# Altium PCB Sayma_AMC_RFSoC.PcbDoc (part 5 of 11)
Units mm, origin at the board's own origin, x right, y up, seen from the top; angles counter-clockwise.
Board outline 180.55 x 148.45 mm, 18 copper layers (Layer 1, Layer 2, Layer 3, Layer 4, Layer 5, Layer 6, Layer 7, Layer 8, Layer 9, Layer 10, Layer 11, Layer 12, Layer 13, Layer 14, Layer 15, Layer 16, Layer 17, Layer 18), stack 4.915 mm thick; 790 components, 796 nets, 6854 pads, 16 vias.
Unrouted connection lines stored in the file: 2880.
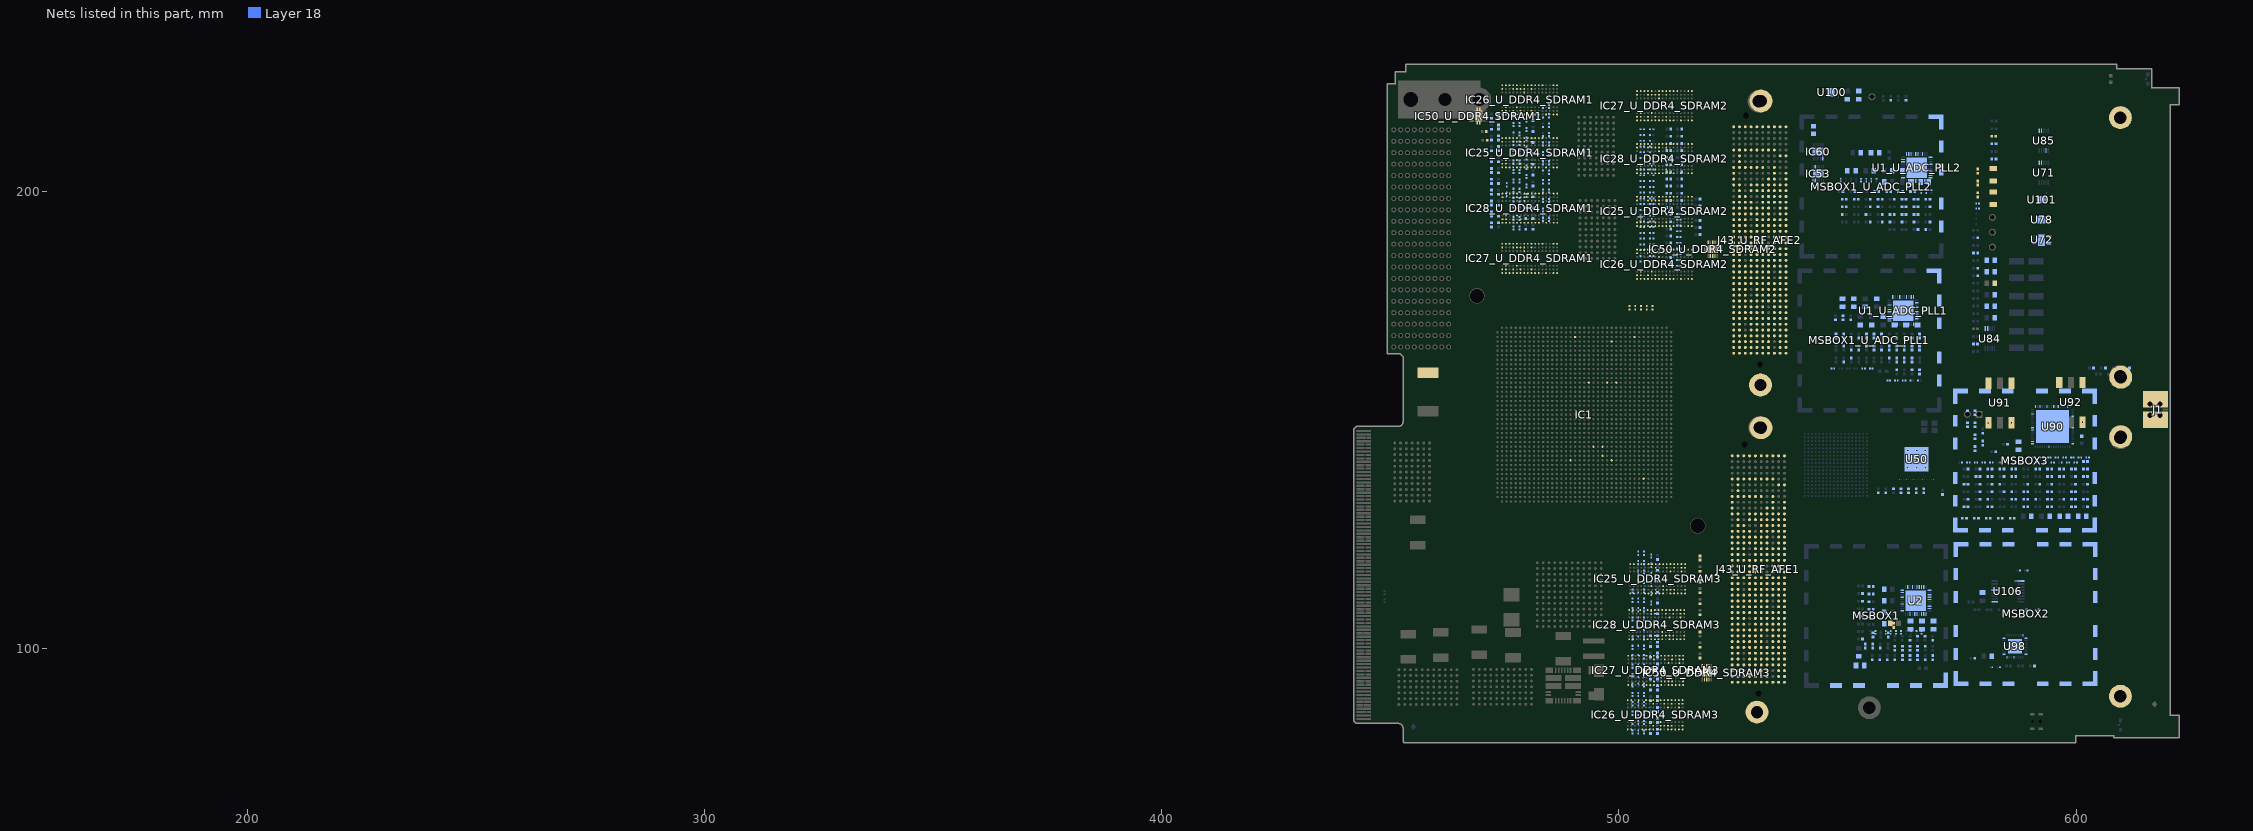
[diagram p16: the nets of this part, all layers, seen from the top]

## Via types
v1: diameter 0.61, hole 0.3, Layer 1 to Layer 18, 11 vias
v2: diameter 0.51, hole 0.25, Layer 1 to Layer 18, 3 vias
v3: diameter 0.48, hole 0.25, Layer 1 to Layer 18, 2 vias

## Nets (pads, with @x,y where several pads share a name; then routed paths per layer and width w, separated by ;. In a path a pad name is that pad's centre, name@x,y a point inside that pad or via, vN(x,y) a via of type N, cw(c..) or ccw(c..) an arc to the next point about the centre after c; other vN are vias at no path point) (continued)
P1V2: C120_U_DDR4_SDRAM1.1 C120_U_DDR4_SDRAM2.1 C120_U_DDR4_SDRAM3.1 C121_U_DDR4_SDRAM1.1 C121_U_DDR4_SDRAM2.1 C121_U_DDR4_SDRAM3.1 C122_U_DDR4_SDRAM1.1 C122_U_DDR4_SDRAM2.1 C122_U_DDR4_SDRAM3.1 C123_U_DDR4_SDRAM1.1 C123_U_DDR4_SDRAM2.1 C123_U_DDR4_SDRAM3.1 C124_U_DDR4_SDRAM1.1 C124_U_DDR4_SDRAM2.1 C124_U_DDR4_SDRAM3.1 C125_U_DDR4_SDRAM1.1 C125_U_DDR4_SDRAM2.1 C125_U_DDR4_SDRAM3.1 C126_U_DDR4_SDRAM1.1 C126_U_DDR4_SDRAM2.1 C126_U_DDR4_SDRAM3.1 C127_U_DDR4_SDRAM1.1 C127_U_DDR4_SDRAM2.1 C127_U_DDR4_SDRAM3.1 C128_U_DDR4_SDRAM1.1 C128_U_DDR4_SDRAM2.1 C128_U_DDR4_SDRAM3.1 C129_U_DDR4_SDRAM1.1 C129_U_DDR4_SDRAM2.1 C129_U_DDR4_SDRAM3.1 C130_U_DDR4_SDRAM1.1 C130_U_DDR4_SDRAM2.1 C130_U_DDR4_SDRAM3.1 C131_U_DDR4_SDRAM1.1 C131_U_DDR4_SDRAM2.1 C131_U_DDR4_SDRAM3.1 C132_U_DDR4_SDRAM1.1 C132_U_DDR4_SDRAM2.1 C132_U_DDR4_SDRAM3.1 C133_U_DDR4_SDRAM1.1 C133_U_DDR4_SDRAM2.1 C133_U_DDR4_SDRAM3.1 C134_U_DDR4_SDRAM1.1 C134_U_DDR4_SDRAM2.1 C134_U_DDR4_SDRAM3.1 C135_U_DDR4_SDRAM1.1 C135_U_DDR4_SDRAM2.1 C135_U_DDR4_SDRAM3.1 C136_U_DDR4_SDRAM1.1 C136_U_DDR4_SDRAM2.1 C136_U_DDR4_SDRAM3.1 C137_U_DDR4_SDRAM1.1 C137_U_DDR4_SDRAM2.1 C137_U_DDR4_SDRAM3.1 C138_U_DDR4_SDRAM1.1 C138_U_DDR4_SDRAM2.1 C138_U_DDR4_SDRAM3.1 C139_U_DDR4_SDRAM1.1 C139_U_DDR4_SDRAM2.1 C139_U_DDR4_SDRAM3.1 C140_U_DDR4_SDRAM1.1 C140_U_DDR4_SDRAM2.1 C140_U_DDR4_SDRAM3.1 C141_U_DDR4_SDRAM1.1 C141_U_DDR4_SDRAM2.1 C141_U_DDR4_SDRAM3.1 C142_U_DDR4_SDRAM1.1 C142_U_DDR4_SDRAM2.1 C142_U_DDR4_SDRAM3.1 C143_U_DDR4_SDRAM1.2 C143_U_DDR4_SDRAM2.2 C143_U_DDR4_SDRAM3.2 C144_U_DDR4_SDRAM1.1 C144_U_DDR4_SDRAM2.1 C144_U_DDR4_SDRAM3.1 C145_U_DDR4_SDRAM1.1 C145_U_DDR4_SDRAM2.1 C145_U_DDR4_SDRAM3.1 C146_U_DDR4_SDRAM1.1 C146_U_DDR4_SDRAM2.1 C146_U_DDR4_SDRAM3.1 C147_U_DDR4_SDRAM1.1 C147_U_DDR4_SDRAM2.1 C147_U_DDR4_SDRAM3.1 C148_U_DDR4_SDRAM1.1 C148_U_DDR4_SDRAM2.1 C148_U_DDR4_SDRAM3.1 C149_U_DDR4_SDRAM1.1 C149_U_DDR4_SDRAM2.1 C149_U_DDR4_SDRAM3.1 C150_U_DDR4_SDRAM1.1 C150_U_DDR4_SDRAM2.1 C150_U_DDR4_SDRAM3.1 C151_U_DDR4_SDRAM1.1 C151_U_DDR4_SDRAM2.1 C151_U_DDR4_SDRAM3.1 C152_U_DDR4_SDRAM1.1 C152_U_DDR4_SDRAM2.1 C152_U_DDR4_SDRAM3.1 C153_U_DDR4_SDRAM1.1 C153_U_DDR4_SDRAM2.1 C153_U_DDR4_SDRAM3.1 C154_U_DDR4_SDRAM1.1 C154_U_DDR4_SDRAM2.1 C154_U_DDR4_SDRAM3.1 C155_U_DDR4_SDRAM1.1 C155_U_DDR4_SDRAM2.1 C155_U_DDR4_SDRAM3.1 C156_U_DDR4_SDRAM1.2 C156_U_DDR4_SDRAM2.2 C156_U_DDR4_SDRAM3.2 C256_U_DDR4_SDRAM1.1 C256_U_DDR4_SDRAM2.1 C256_U_DDR4_SDRAM3.1 C257_U_DDR4_SDRAM1.1 C257_U_DDR4_SDRAM2.1 C257_U_DDR4_SDRAM3.1 C258_U_DDR4_SDRAM1.1 C258_U_DDR4_SDRAM2.1 C258_U_DDR4_SDRAM3.1 C259_U_DDR4_SDRAM1.1 C259_U_DDR4_SDRAM2.1 C259_U_DDR4_SDRAM3.1 C260_U_DDR4_SDRAM1.1 C260_U_DDR4_SDRAM2.1 C260_U_DDR4_SDRAM3.1 C261_U_DDR4_SDRAM1.1 C261_U_DDR4_SDRAM2.1 C261_U_DDR4_SDRAM3.1 C495_U_DDR4_SDRAM1.1 C495_U_DDR4_SDRAM2.1 C495_U_DDR4_SDRAM3.1 IC25_U_DDR4_SDRAM1.A1 IC25_U_DDR4_SDRAM1.A9 IC25_U_DDR4_SDRAM1.B3 IC25_U_DDR4_SDRAM1.B9 IC25_U_DDR4_SDRAM1.C1 IC25_U_DDR4_SDRAM1.D1 IC25_U_DDR4_SDRAM1.D9 IC25_U_DDR4_SDRAM1.F2 IC25_U_DDR4_SDRAM1.F8 IC25_U_DDR4_SDRAM1.G1 IC25_U_DDR4_SDRAM1.G7 IC25_U_DDR4_SDRAM1.G9 IC25_U_DDR4_SDRAM1.J1 IC25_U_DDR4_SDRAM1.J2 IC25_U_DDR4_SDRAM1.J8 IC25_U_DDR4_SDRAM1.J9 IC25_U_DDR4_SDRAM1.L1 IC25_U_DDR4_SDRAM1.L9 IC25_U_DDR4_SDRAM1.R1 IC25_U_DDR4_SDRAM1.T9 IC25_U_DDR4_SDRAM2.A1 IC25_U_DDR4_SDRAM2.A9 IC25_U_DDR4_SDRAM2.B3 IC25_U_DDR4_SDRAM2.B9 IC25_U_DDR4_SDRAM2.C1 IC25_U_DDR4_SDRAM2.D1 IC25_U_DDR4_SDRAM2.D9 IC25_U_DDR4_SDRAM2.F2 IC25_U_DDR4_SDRAM2.F8 IC25_U_DDR4_SDRAM2.G1 IC25_U_DDR4_SDRAM2.G7 IC25_U_DDR4_SDRAM2.G9 IC25_U_DDR4_SDRAM2.J1 IC25_U_DDR4_SDRAM2.J2 IC25_U_DDR4_SDRAM2.J8 IC25_U_DDR4_SDRAM2.J9 IC25_U_DDR4_SDRAM2.L1 IC25_U_DDR4_SDRAM2.L9 IC25_U_DDR4_SDRAM2.R1 IC25_U_DDR4_SDRAM2.T9 IC25_U_DDR4_SDRAM3.A1 IC25_U_DDR4_SDRAM3.A9 IC25_U_DDR4_SDRAM3.B3 IC25_U_DDR4_SDRAM3.B9 IC25_U_DDR4_SDRAM3.C1 IC25_U_DDR4_SDRAM3.D1 IC25_U_DDR4_SDRAM3.D9 IC25_U_DDR4_SDRAM3.F2 IC25_U_DDR4_SDRAM3.F8 IC25_U_DDR4_SDRAM3.G1 IC25_U_DDR4_SDRAM3.G7 IC25_U_DDR4_SDRAM3.G9 IC25_U_DDR4_SDRAM3.J1 IC25_U_DDR4_SDRAM3.J2 IC25_U_DDR4_SDRAM3.J8 IC25_U_DDR4_SDRAM3.J9 IC25_U_DDR4_SDRAM3.L1 IC25_U_DDR4_SDRAM3.L9 IC25_U_DDR4_SDRAM3.R1 IC25_U_DDR4_SDRAM3.T9 IC26_U_DDR4_SDRAM1.A1 IC26_U_DDR4_SDRAM1.A9 IC26_U_DDR4_SDRAM1.B3 IC26_U_DDR4_SDRAM1.B9 IC26_U_DDR4_SDRAM1.C1 IC26_U_DDR4_SDRAM1.D1 IC26_U_DDR4_SDRAM1.D9 IC26_U_DDR4_SDRAM1.F2 IC26_U_DDR4_SDRAM1.F8 IC26_U_DDR4_SDRAM1.G1 IC26_U_DDR4_SDRAM1.G7 IC26_U_DDR4_SDRAM1.G9 IC26_U_DDR4_SDRAM1.J1 IC26_U_DDR4_SDRAM1.J2 IC26_U_DDR4_SDRAM1.J8 IC26_U_DDR4_SDRAM1.J9 IC26_U_DDR4_SDRAM1.L1 IC26_U_DDR4_SDRAM1.L9 IC26_U_DDR4_SDRAM1.R1 IC26_U_DDR4_SDRAM1.T9 IC26_U_DDR4_SDRAM2.A1 IC26_U_DDR4_SDRAM2.A9 IC26_U_DDR4_SDRAM2.B3 IC26_U_DDR4_SDRAM2.B9 IC26_U_DDR4_SDRAM2.C1 IC26_U_DDR4_SDRAM2.D1 IC26_U_DDR4_SDRAM2.D9 IC26_U_DDR4_SDRAM2.F2 IC26_U_DDR4_SDRAM2.F8 IC26_U_DDR4_SDRAM2.G1 IC26_U_DDR4_SDRAM2.G7 IC26_U_DDR4_SDRAM2.G9 IC26_U_DDR4_SDRAM2.J1 IC26_U_DDR4_SDRAM2.J2 IC26_U_DDR4_SDRAM2.J8 IC26_U_DDR4_SDRAM2.J9 IC26_U_DDR4_SDRAM2.L1 IC26_U_DDR4_SDRAM2.L9 IC26_U_DDR4_SDRAM2.R1 IC26_U_DDR4_SDRAM2.T9 IC26_U_DDR4_SDRAM3.A1 IC26_U_DDR4_SDRAM3.A9 IC26_U_DDR4_SDRAM3.B3 IC26_U_DDR4_SDRAM3.B9 IC26_U_DDR4_SDRAM3.C1 IC26_U_DDR4_SDRAM3.D1 IC26_U_DDR4_SDRAM3.D9 IC26_U_DDR4_SDRAM3.F2 IC26_U_DDR4_SDRAM3.F8 IC26_U_DDR4_SDRAM3.G1 IC26_U_DDR4_SDRAM3.G7 IC26_U_DDR4_SDRAM3.G9 IC26_U_DDR4_SDRAM3.J1 IC26_U_DDR4_SDRAM3.J2 IC26_U_DDR4_SDRAM3.J8 IC26_U_DDR4_SDRAM3.J9 IC26_U_DDR4_SDRAM3.L1 IC26_U_DDR4_SDRAM3.L9 IC26_U_DDR4_SDRAM3.R1 IC26_U_DDR4_SDRAM3.T9 IC27_U_DDR4_SDRAM1.A1 IC27_U_DDR4_SDRAM1.A9 IC27_U_DDR4_SDRAM1.B3 IC27_U_DDR4_SDRAM1.B9 IC27_U_DDR4_SDRAM1.C1 IC27_U_DDR4_SDRAM1.D1 IC27_U_DDR4_SDRAM1.D9 IC27_U_DDR4_SDRAM1.F2 IC27_U_DDR4_SDRAM1.F8 IC27_U_DDR4_SDRAM1.G1 IC27_U_DDR4_SDRAM1.G7 IC27_U_DDR4_SDRAM1.G9 IC27_U_DDR4_SDRAM1.J1 IC27_U_DDR4_SDRAM1.J2 IC27_U_DDR4_SDRAM1.J8 IC27_U_DDR4_SDRAM1.J9 IC27_U_DDR4_SDRAM1.L1 IC27_U_DDR4_SDRAM1.L9 IC27_U_DDR4_SDRAM1.R1 IC27_U_DDR4_SDRAM1.T9 IC27_U_DDR4_SDRAM2.A1 IC27_U_DDR4_SDRAM2.A9 IC27_U_DDR4_SDRAM2.B3 IC27_U_DDR4_SDRAM2.B9 IC27_U_DDR4_SDRAM2.C1 IC27_U_DDR4_SDRAM2.D1 IC27_U_DDR4_SDRAM2.D9 IC27_U_DDR4_SDRAM2.F2 IC27_U_DDR4_SDRAM2.F8 IC27_U_DDR4_SDRAM2.G1 IC27_U_DDR4_SDRAM2.G7 IC27_U_DDR4_SDRAM2.G9 IC27_U_DDR4_SDRAM2.J1 IC27_U_DDR4_SDRAM2.J2 IC27_U_DDR4_SDRAM2.J8 IC27_U_DDR4_SDRAM2.J9 IC27_U_DDR4_SDRAM2.L1 IC27_U_DDR4_SDRAM2.L9 IC27_U_DDR4_SDRAM2.R1 IC27_U_DDR4_SDRAM2.T9 IC27_U_DDR4_SDRAM3.A1 IC27_U_DDR4_SDRAM3.A9 IC27_U_DDR4_SDRAM3.B3 IC27_U_DDR4_SDRAM3.B9 IC27_U_DDR4_SDRAM3.C1 IC27_U_DDR4_SDRAM3.D1 IC27_U_DDR4_SDRAM3.D9 IC27_U_DDR4_SDRAM3.F2 IC27_U_DDR4_SDRAM3.F8 IC27_U_DDR4_SDRAM3.G1 IC27_U_DDR4_SDRAM3.G7 IC27_U_DDR4_SDRAM3.G9 IC27_U_DDR4_SDRAM3.J1 IC27_U_DDR4_SDRAM3.J2 IC27_U_DDR4_SDRAM3.J8 IC27_U_DDR4_SDRAM3.J9 IC27_U_DDR4_SDRAM3.L1 IC27_U_DDR4_SDRAM3.L9 IC27_U_DDR4_SDRAM3.R1 IC27_U_DDR4_SDRAM3.T9 IC28_U_DDR4_SDRAM1.A1 IC28_U_DDR4_SDRAM1.A9 IC28_U_DDR4_SDRAM1.B3 IC28_U_DDR4_SDRAM1.B9 IC28_U_DDR4_SDRAM1.C1 IC28_U_DDR4_SDRAM1.D1 IC28_U_DDR4_SDRAM1.D9 IC28_U_DDR4_SDRAM1.F2 IC28_U_DDR4_SDRAM1.F8 IC28_U_DDR4_SDRAM1.G1 IC28_U_DDR4_SDRAM1.G7 IC28_U_DDR4_SDRAM1.G9 IC28_U_DDR4_SDRAM1.J1 IC28_U_DDR4_SDRAM1.J2 IC28_U_DDR4_SDRAM1.J8 IC28_U_DDR4_SDRAM1.J9 IC28_U_DDR4_SDRAM1.L1 IC28_U_DDR4_SDRAM1.L9 IC28_U_DDR4_SDRAM1.R1 IC28_U_DDR4_SDRAM1.T9 IC28_U_DDR4_SDRAM2.A1 IC28_U_DDR4_SDRAM2.A9 IC28_U_DDR4_SDRAM2.B3 IC28_U_DDR4_SDRAM2.B9 IC28_U_DDR4_SDRAM2.C1 IC28_U_DDR4_SDRAM2.D1 IC28_U_DDR4_SDRAM2.D9 IC28_U_DDR4_SDRAM2.F2 IC28_U_DDR4_SDRAM2.F8 IC28_U_DDR4_SDRAM2.G1 IC28_U_DDR4_SDRAM2.G7 IC28_U_DDR4_SDRAM2.G9 IC28_U_DDR4_SDRAM2.J1 IC28_U_DDR4_SDRAM2.J2 IC28_U_DDR4_SDRAM2.J8 IC28_U_DDR4_SDRAM2.J9 IC28_U_DDR4_SDRAM2.L1 IC28_U_DDR4_SDRAM2.L9 IC28_U_DDR4_SDRAM2.R1 IC28_U_DDR4_SDRAM2.T9 IC28_U_DDR4_SDRAM3.A1 IC28_U_DDR4_SDRAM3.A9 IC28_U_DDR4_SDRAM3.B3 IC28_U_DDR4_SDRAM3.B9 IC28_U_DDR4_SDRAM3.C1 IC28_U_DDR4_SDRAM3.D1 IC28_U_DDR4_SDRAM3.D9 IC28_U_DDR4_SDRAM3.F2 IC28_U_DDR4_SDRAM3.F8 IC28_U_DDR4_SDRAM3.G1 IC28_U_DDR4_SDRAM3.G7 IC28_U_DDR4_SDRAM3.G9 IC28_U_DDR4_SDRAM3.J1 IC28_U_DDR4_SDRAM3.J2 IC28_U_DDR4_SDRAM3.J8 IC28_U_DDR4_SDRAM3.J9 IC28_U_DDR4_SDRAM3.L1 IC28_U_DDR4_SDRAM3.L9 IC28_U_DDR4_SDRAM3.R1 IC28_U_DDR4_SDRAM3.T9 IC50_U_DDR4_SDRAM1.2 IC50_U_DDR4_SDRAM2.2 IC50_U_DDR4_SDRAM3.2 R300_U_DDR4_SDRAM1.1 R300_U_DDR4_SDRAM2.1 R300_U_DDR4_SDRAM3.1
P1V8: C920.2
P2V5: C161_U_DDR4_SDRAM1.1 C161_U_DDR4_SDRAM2.1 C161_U_DDR4_SDRAM3.1 C162_U_DDR4_SDRAM1.1 C162_U_DDR4_SDRAM2.1 C162_U_DDR4_SDRAM3.1 C163_U_DDR4_SDRAM1.1 C163_U_DDR4_SDRAM2.1 C163_U_DDR4_SDRAM3.1 C164_U_DDR4_SDRAM1.1 C164_U_DDR4_SDRAM2.1 C164_U_DDR4_SDRAM3.1 C165_U_DDR4_SDRAM1.1 C165_U_DDR4_SDRAM2.1 C165_U_DDR4_SDRAM3.1 C166_U_DDR4_SDRAM1.1 C166_U_DDR4_SDRAM2.1 C166_U_DDR4_SDRAM3.1 C167_U_DDR4_SDRAM1.1 C167_U_DDR4_SDRAM2.1 C167_U_DDR4_SDRAM3.1 C168_U_DDR4_SDRAM1.1 C168_U_DDR4_SDRAM2.1 C168_U_DDR4_SDRAM3.1 C173_U_DDR4_SDRAM1.1 C173_U_DDR4_SDRAM2.1 C173_U_DDR4_SDRAM3.1 C494_U_DDR4_SDRAM1.1 C494_U_DDR4_SDRAM2.1 C494_U_DDR4_SDRAM3.1 IC25_U_DDR4_SDRAM1.B1 IC25_U_DDR4_SDRAM1.R9 IC25_U_DDR4_SDRAM2.B1 IC25_U_DDR4_SDRAM2.R9 IC25_U_DDR4_SDRAM3.B1 IC25_U_DDR4_SDRAM3.R9 IC26_U_DDR4_SDRAM1.B1 IC26_U_DDR4_SDRAM1.R9 IC26_U_DDR4_SDRAM2.B1 IC26_U_DDR4_SDRAM2.R9 IC26_U_DDR4_SDRAM3.B1 IC26_U_DDR4_SDRAM3.R9 IC27_U_DDR4_SDRAM1.B1 IC27_U_DDR4_SDRAM1.R9 IC27_U_DDR4_SDRAM2.B1 IC27_U_DDR4_SDRAM2.R9 IC27_U_DDR4_SDRAM3.B1 IC27_U_DDR4_SDRAM3.R9 IC28_U_DDR4_SDRAM1.B1 IC28_U_DDR4_SDRAM1.R9 IC28_U_DDR4_SDRAM2.B1 IC28_U_DDR4_SDRAM2.R9 IC28_U_DDR4_SDRAM3.B1 IC28_U_DDR4_SDRAM3.R9
P3V3: C496_U_DDR4_SDRAM1.1 C496_U_DDR4_SDRAM2.1 C496_U_DDR4_SDRAM3.1 IC50_U_DDR4_SDRAM1.7 IC50_U_DDR4_SDRAM1.10 IC50_U_DDR4_SDRAM2.7 IC50_U_DDR4_SDRAM2.10 IC50_U_DDR4_SDRAM3.7 IC50_U_DDR4_SDRAM3.10 J43_U_RF_AFE1.c30 J43_U_RF_AFE1.c31 J43_U_RF_AFE2.c30 J43_U_RF_AFE2.c31 R559_U_DDR4_SDRAM1.2 R559_U_DDR4_SDRAM2.2 R559_U_DDR4_SDRAM3.2
P3V3_MP: J43_U_RF_AFE1.c33 J43_U_RF_AFE2.c33
P3V3MP: IC60.11
P6V0A: J43_U_RF_AFE1.a28 J43_U_RF_AFE1.a29 J43_U_RF_AFE1.b28 J43_U_RF_AFE1.b29 J43_U_RF_AFE2.a28 J43_U_RF_AFE2.a29 J43_U_RF_AFE2.b28 J43_U_RF_AFE2.b29
P12V0: F1.2
P12V0A: J43_U_RF_AFE1.d29 J43_U_RF_AFE1.d30 J43_U_RF_AFE2.d29 J43_U_RF_AFE2.d30
PS_REF_CLK_R: R379.1 U50.59
QSPI1_CLK: IC53.13
QSPI1_DQ1: IC53.6
QSPI1_DQ3: 
QSPI2_DQ1: IC53.5